# Altium PCB Ver1.4.PcbDoc (part 1 of 2) (continued)
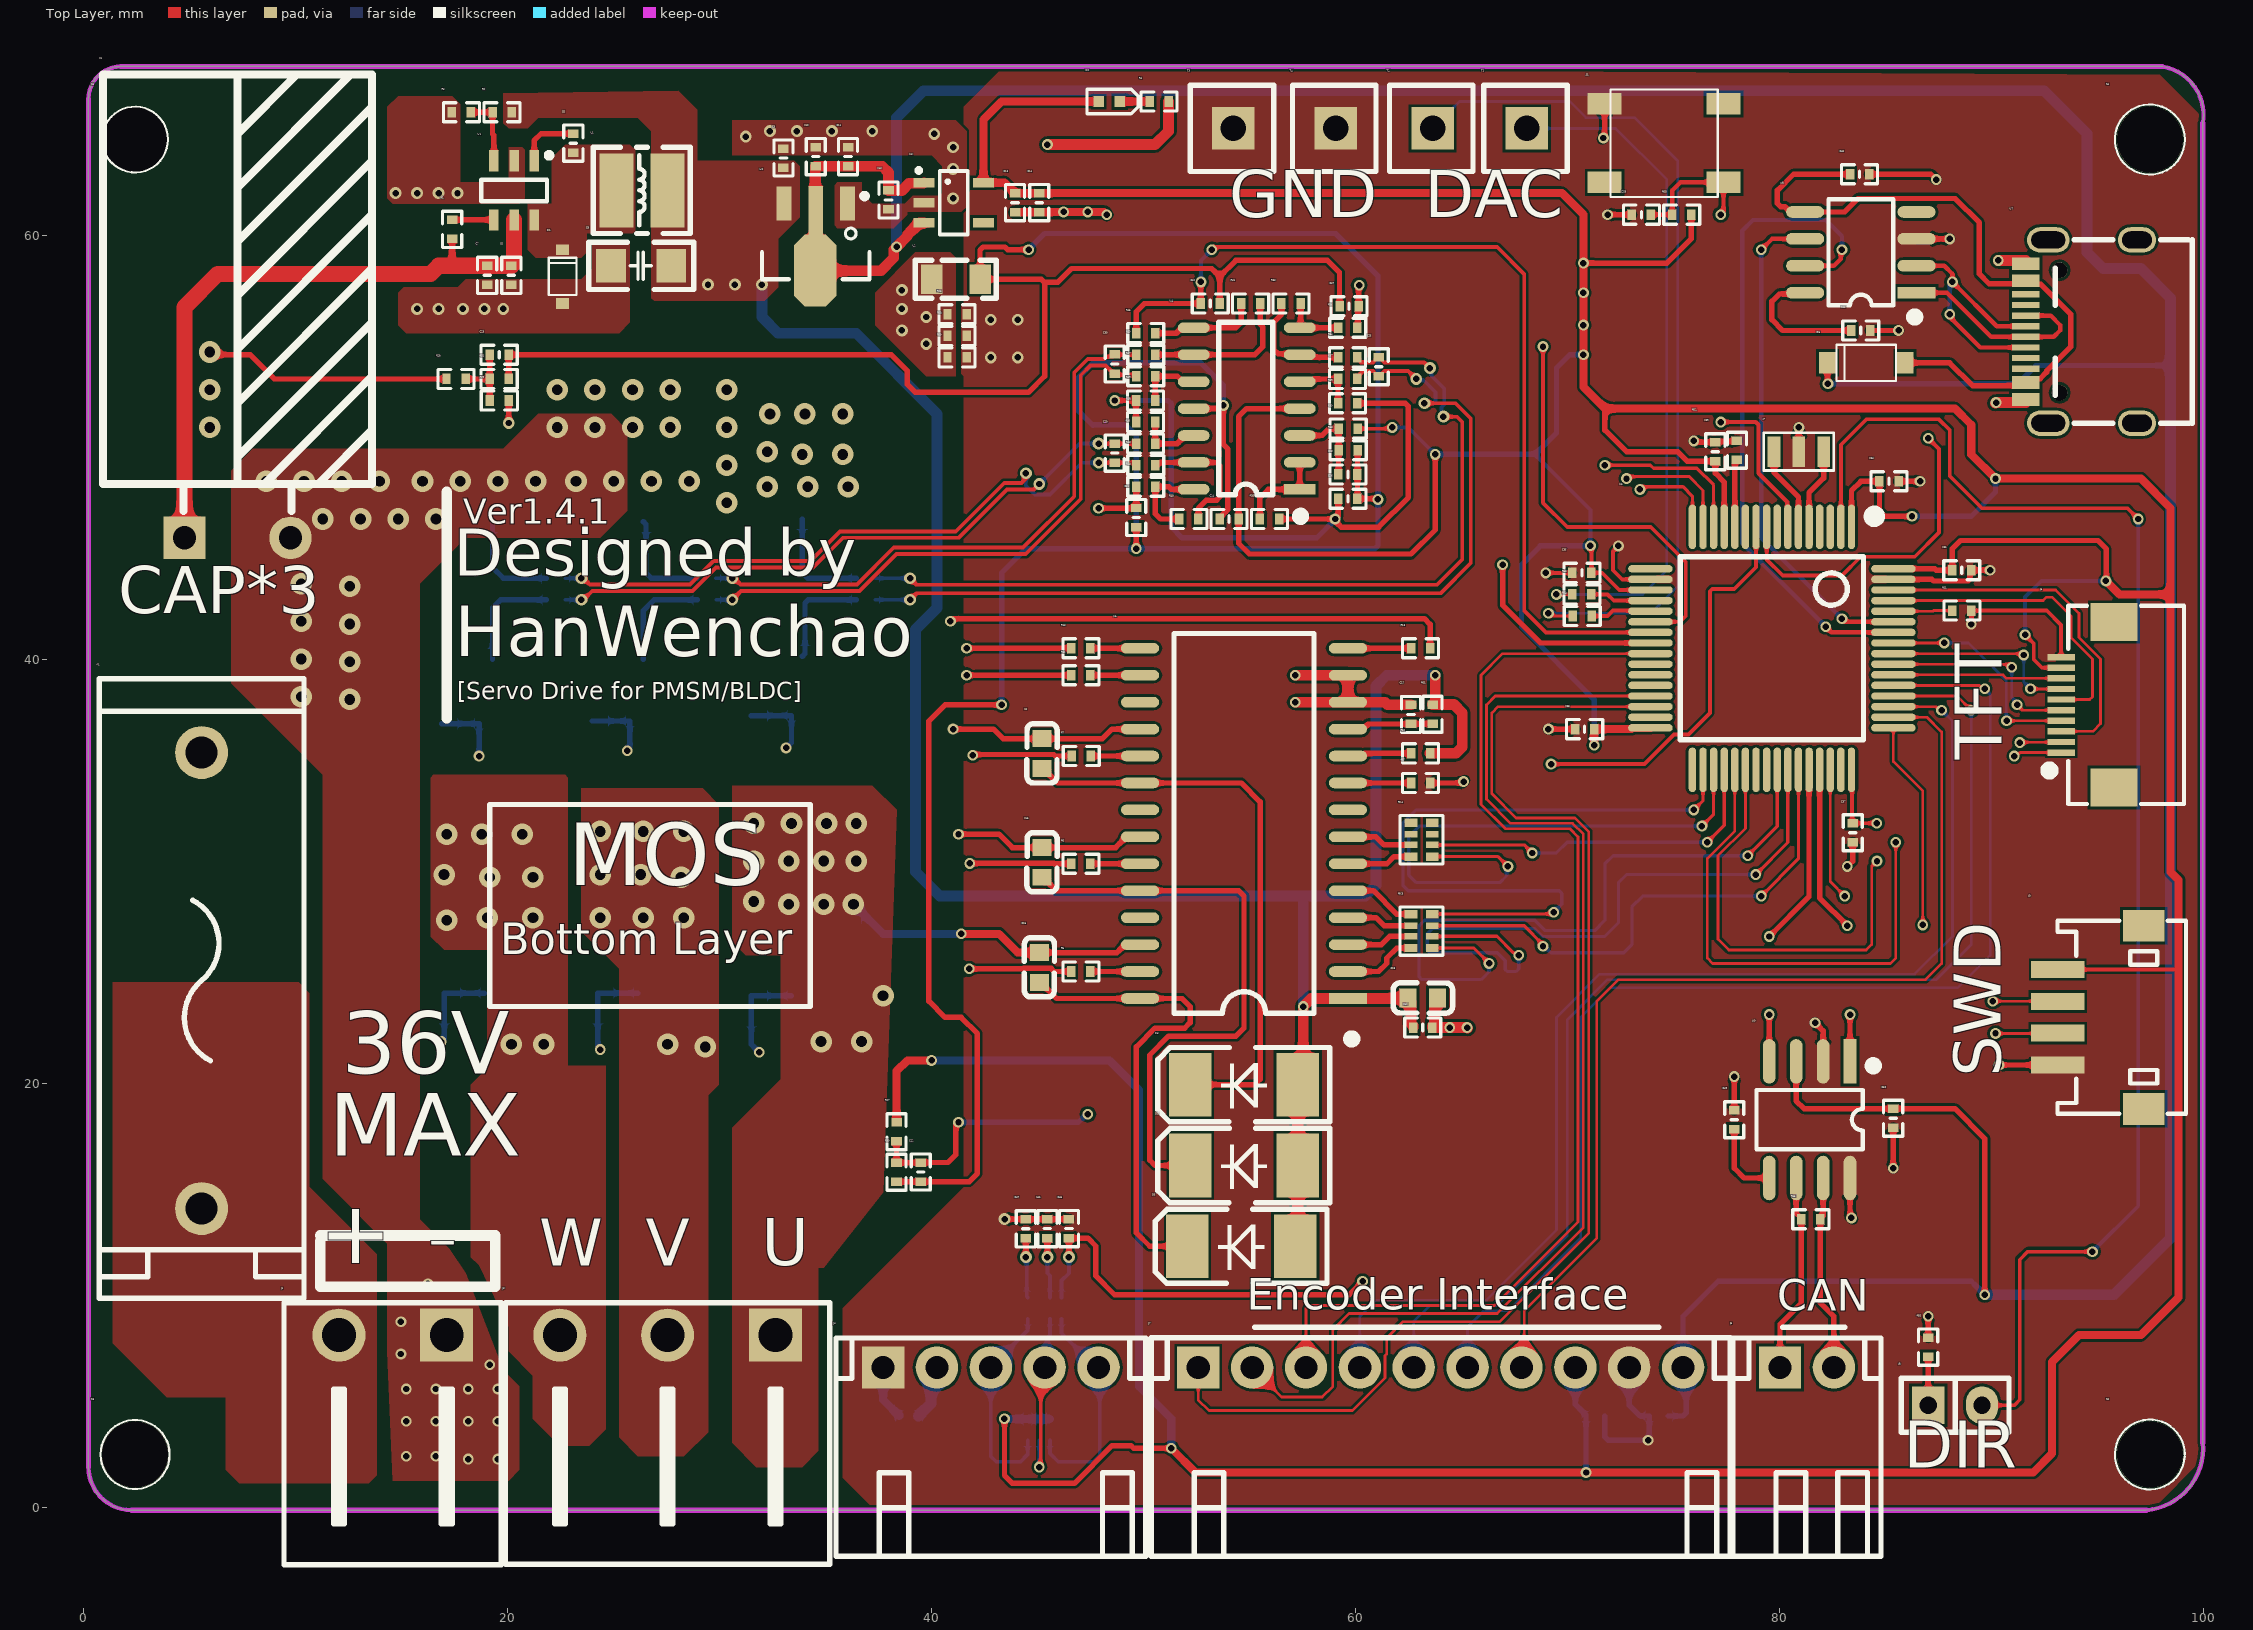
[diagram p0: Top Layer view]
## Components (designator, comment, footprint, x,y, rotation, side; value= is the part's Value field where it differs from the comment)
C1 "470uf" "CAP 5.0*12.5*20-H - BK" 7.279,45.72 r0 top
C2 "Cap" "C 0603" 45.212,35.56 r270 top value=10UF
C3 "Cap" "C 1210_L" 6.477,38.735 r180 bottom value=100uf
C4 "Cap" "C 1210_L" 6.477,42.799 r180 bottom value=100uf
C5 "Cap" "C 0402_L" 20.193,58.097 r270 top value=4.7uf
C6 "Cap" "C 0402_L" 23.114,64.331 r270 top value=100nF
C7 "Cap" "C 0402_L" 19.05,58.097 r90 top value=100nF
C8 "Cap" "C 1206_L" 26.289,58.547 r0 top value=47uf
C9 "Cap" "C 0402_L" 33.02,63.627 r270 top value=2.2uf
C10 "Cap" "C 0402_L" 34.544,63.696 r270 top value=2.2uf
C11 "Cap" "C 0402_L" 36.068,63.696 r270 top value=100nF
C12 "Cap" "C 0402_L" 37.973,61.653 r90 top value=100nF
C13 "Cap" "C 0402_L" 43.942,61.526 r90 top value=2.2uf
C14 "Cap" "C 0402_L" 45.085,61.526 r90 top value=100nF
C15 "Cap" "C 0603" 45.215,30.426 r270 top value=10UF
C16 "Cap" "C 0603" 45.088,25.473 r270 top value=10UF
C17 "Cap" "C 0402_L" 62.611,37.396 r270 top value=100nF
C18 "Cap" "C 0603" 63.174,24.025 r180 top value=10uf
C22 "Cap" "C 0402_L" 39.497,15.817 r90 top value=100nF
C23 "Cap" "C 0402_L" 19.616,54.356 r180 top value=100nF
C24 "Cap" "C 0402_L" 54.033,46.609 r0 top value=100nF
C25 "Cap" "C 0402_L" 61.087,53.79 r90 top value=100nF
C26 "Cap" "C 0402_L" 59.635,47.567 r180 top value=100nF
C27 "Cap" "C 0402_L" 59.69,56.642 r0 top value=1nF
C28 "Cap" "C 0402_L" 59.635,48.71 r180 top value=100nF
C29 "Cap" "C 0402_L" 48.641,49.715 r270 top value=100nF
C30 "Cap" "C 0402_L" 48.641,53.917 r90 top value=100nF
C31 "Cap" "C 0402_L" 49.657,46.678 r90 top value=1nF
C32 "Cap" "C 0402_L" 53.144,56.769 r180 top value=1nF
C33 "Cap" "C 0402_L" 73.475,60.96 r0 top value=100nF
C34 "Cap" "C 0402_L" 85.148,48.387 r180 top value=100nF
C35 "Cap" "C 0402_L" 70.67,44.069 r0 top value=100nF
C36 "Cap" "C 0402_L" 88.577,44.196 r180 top value=100nF
C37 "Cap" "C 0402_L" 83.439,31.819 r90 top value=100nF
C38 "Cap" "C 0402_L" 70.797,36.703 r0 top value=100nF
C39 "Cap" "C 0402_L" 76.962,49.784 r270 top value=100nF
C42 "Cap" "C 0402_L" 83.762,62.865 r0 top value=100nF
C43 "Cap" "C 0402_L" 83.82,55.499 r180 top value=100nF
C44 "Cap" "C 0402_L" 38.931,4.318 r0 bottom value=100nF
C45 "Cap" "C 0402_L" 46.482,13.15 r270 top value=1nf
C46 "Cap" "C 0402_L" 45.466,13.15 r270 top value=1nf
C47 "Cap" "C 0402_L" 44.45,13.139 r270 top value=1nf
C48 "Cap" "C 0402_L" 74.295,4.318 r0 bottom value=100nF
C49 "Cap" "C 0402_L" 77.851,18.288 r270 top value=100nF
C50 "Cap" "C 0402_L" 85.344,18.357 r90 top value=100nF
C51 "Cap" "C 0402_L" 71.305,4.318 r180 bottom value=100nF
C52 "Cap" "C 0402_L" 63.162,22.631 r180 top value=100nF
D1 "IN5819" SOD-323-12 22.606,56.769 r90 top
D2 "LED" LED0402-R-RD 48.481,66.31 r180 top
D3 "SS310" SMA/12 57.15,19.939 r180 top
D4 "SS310" SMA/12 57.15,16.129 r180 top
D5 "SS310" SMA/12 57.023,12.319 r180 top
D6 "DSK" SOD-123-PIN12 85.852,53.975 r180 top
F1 "F0603" FUSE-BLX-A 5.588,14.097 r90 top
J1 "P2" KF2EDGK5.08W-2P 17.145,8.128 r180 top
J2 "KF2EDGK_5.08_3P" KF2EDGK5.08W-3P 32.639,8.128 r180 top
J3 "ZH1.5_SMD_4P" ZH1.5-WS-4P 97.155,23.114 r90 top
J4 "KF2EDG-2.54-W-5P" KF2EDGK-2.54W-5P 37.719,6.731 r0 top locked
J5 "P2" KF2EDGK-2.54W-2P 80.01,6.604 r0 top
J6 "Pin HDR1X10" "FPC0.5 2H-WS-10P" 95.758,37.846 r90 top
J7 "KF2EDG-2.54-W-10P" KF2EDGK-2.54W-10P 52.578,6.604 r0 top
J8 "Pin HDR1X2" "Pin HDR1X2/2.54mm-S" 86.995,4.826 r90 top
L1 "33uh" CD32 26.346,62.103 r0 top
L2 "10uh" "L 0805" 41.148,57.912 r0 top
Q1 "NMOS" TO252 31.623,24.139 r0 bottom
Q2 "NMOS" TO252 24.384,24.266 r0 bottom
Q3 "NMOS" TO252 17.145,24.266 r0 bottom
Q4 "NMOS" TO252 31.623,37.347 r0 bottom
Q5 "NMOS" TO252 24.13,37.093 r0 bottom
Q6 "NMOS" TO252 17.018,36.966 r0 bottom
R1 "Res1" 0402R 16.18,60.869 r270 top value=500K
R2 "Res1" 0402R 19.152,64.567 r0 top value=113K
R3 "Res1" 0402R 17.236,64.567 r0 top value=8.2K
R4 "Res1" 0402R 50.129,65.075 r0 top value=1.5K
R5 "Res1" 0402R 47.65,26.492 r180 top value=5
R6 "Res1" 0402R 47.65,31.572 r180 top value=5
R7 "Res1" 0402R 47.661,36.652 r180 top value=5
R8 "Res1" 0402R 33.249,25.349 r0 bottom value=100K
R9 "Res1" 0402R 26.01,25.476 r0 bottom value=100K
R10 "Res1" 0402R 18.771,25.476 r0 bottom value=100K
R11 "Res1" 0402R 47.65,40.462 r180 top value=5
R12 "Res1" 0402R 47.65,41.732 r180 top value=5
R13 "Res1" 0402R 62.459,39.294 r0 top value=5
R14 "Res1" 0402R 33.249,38.557 r0 bottom value=100K
R15 "Res1" 0402R 25.629,38.303 r0 bottom value=100K
R16 "Res1" 0402R 18.517,38.176 r0 bottom value=100K
R17 "0.01" 2512R 33.96,46.53 r270 bottom
R18 "0.01" 2512R 26.467,46.403 r270 bottom
R19 "0.01" 2512R 19.355,46.403 r270 bottom
R20 "Res1" 0402R 37.501,41.58 r180 bottom value=0
R21 "Res1" 0402R 30.008,41.58 r180 bottom value=0
R22 "Res1" 0402R 22.896,41.58 r180 bottom value=0
R23 "Res1" 0402R 37.501,42.596 r180 bottom value=0
R24 "Res1" 0402R 29.997,42.596 r180 bottom value=0
R25 "Res1" 0402R 22.885,42.596 r180 bottom value=0
R26 "Res1" 0402R 40.604,55.042 r0 top value=0
R27 "Res1" 0402R 39.573,17.12 r90 top value=10K
R28 "Res1" 0402R 18.186,54.432 r180 top value=200K
R29 "Res1" 0402R 19.025,50.978 r0 top value=22
R30 "Res1" 0402R 39.573,15.204 r90 top value=3.3k
R31 "Res1" 0402R 20.218,54.432 r180 top value=10K
R32 "Res1" 0402R 57.556,57.988 r180 top value=30K
R33 "Res1" 0402R 60.248,52.088 r180 top value=10K
R34 "Res1" 0402R 60.223,55.448 r180 top value=2K
R35 "Res1" 0402R 55.336,45.39 r0 top value=10
R36 "Res1" 0402R 60.234,56.845 r180 top value=100R
R37 "Res1" 0402R 60.223,54.432 r180 top value=2K
R38 "Res1" 0402R 59.044,48.634 r0 top value=10K
R39 "Res1" 0402R 60.223,53.289 r180 top value=30K
R40 "Res1" 0402R 51.537,45.39 r0 top value=30K
R41 "Res1" 0402R 54.447,55.55 r0 top value=30K
R42 "Res1" 0402R 49.505,47.93 r0 top value=2K
R43 "Res1" 0402R 49.505,53.137 r0 top value=2K
R44 "Res1" 0402R 49.505,46.914 r0 top value=100R
R45 "Res1" 0402R 49.505,54.153 r0 top value=100R
R46 "Res1" 0402R 49.494,48.946 r0 top value=2K
R47 "Res1" 0402R 49.505,52.121 r0 top value=2K
R48 "Res1" 0402R 49.494,49.962 r0 top value=30K
R49 "Res1" 0402R 49.494,50.978 r0 top value=30K
R50 "Res1" 0402R 74.778,59.741 r0 top value=10K
R51 "Res1" 0402R 87.986,41.072 r0 top value=10K
R52 "Res1" 0402R 76.759,50.455 r270 top value=0
R53 "Res1" 0402R 70.068,41.834 r0 top value=10K
R54 "Res1" 0402R 70.079,40.818 r0 top value=10K
R55 "Res1" 0402R 80.863,12.37 r0 top value=120
R56 "Res1" 0402R 88.214,6.96 r90 top value=910
R57 "Res1" 0402R 63.663,35.382 r180 top value=4.7K
R58 "Res1" 0402R 40.604,54.026 r0 top value=0
R59 "Res1" 0402R 40.604,53.01 r0 top value=0
R60 "Res1" 0402R 62.459,34.341 r0 top value=10K
R61 "Res1" 0402R 64.846,36.805 r90 top value=10K
RN1 "1K" 8P4R-0402 46.135,8.906 r90 bottom
RN2 "10K" 8P4R-0402 46.135,3.175 r90 bottom
RN3 "100" 8P4R-0402 62.611,27.982 r0 top
RN4 "100" 8P4R-0402 62.611,32.292 r0 top
S1 "SW-PB" SMD-4X4X1.5 77.337,62.419 r180 top
S2 "M3" 3mm螺丝孔 97.449,2.5 r0 top locked
S3 "M3" 3mm螺丝孔 2.449,2.5 r0 top locked
S4 "M3" 3mm螺丝孔 97.449,64.5 r0 top locked
S5 "M3" 3mm螺丝孔 2.449,64.5 r0 top locked
T1 "TEST" TEST_1mm 68.072,65.024 r0 top
T2 "TEST" TEST_1mm 63.627,65.024 r0 top
T3 "TEST" TEST_1mm 54.229,65.024 r0 top
T4 "TEST" TEST_1mm 59.055,65.024 r0 top
U1 "MP2456" SOT23-6L 20.32,62.103 r180 top
U2 "AMS1117_5.0" SOT89_M 34.544,59.436 r180 top
U3 "SPX3819" SOT23-5L 41.051,61.519 r270 top
U4 "SGM8634" SOP14_L 54.864,51.816 r180 top locked
U5 "IR2136" SOP28_L 54.737,32.258 r180 top
U6 "STM32F405RGT6TR" "LQFP64 10x10_M" 79.629,40.513 r180 top locked
U7 "TYPEC_16P" TYPECP16 95.123,54.991 r90 top
U8 "CH340N" SOP8_N 83.82,59.182 r180 top
U9 "TJA1050" SOP8_M 81.407,18.288 r270 top
X? "8M" 晶振SMD-CSTSE800G52-R0 80.899,49.784 r180 top

## Footprints (in the part's own frame and the unit in brackets; to place one, negate y for a bottom-side part, rotate by r counter-clockwise, add the part's x,y. Pads: shape width x height; smd on the part's side, far side on the other; paste and mask are expansions set on the pad)
3mm螺丝孔 [mm]
  round 3.1 hole 3.1: 1(0,0)
8P4R-0402 [mm]
  rect 0.6x0.4 smd: 1(0,0) 4(0,-1.6) 5(1,-1.6) 8(1,0)
  rect 0.6x0.3 smd: 2(0,-0.55) 3(0,-1.05) 6(1,-1.05) 7(1,-0.55)
  silkscreen extent -0.52,-1.95 1.51,0.34, body extent 0.02,-1.81 1.02,0.19, height 0.45
0402R [mm]
  rect 0.4x0.5 smd: 1(0.152,1.219) 2(1.052,1.219)
  silkscreen extent -0.25,0.77 1.45,1.67, body extent 0.1,0.97 1.1,1.47, height 0.34
2512R [mm]
  rect 1x3.3 smd: 1(-0.079,0.051) 2(6.398,0.051)
  silkscreen extent -0.81,-1.85 7.14,1.96, body extent 0,-1.6 6.32,1.6, height 0.62
"C 0402_L" [mm] "无极性贴片电容"
  rect 0.4x0.5 smd: 1(-0.45,0) 2(0.45,0)
  silkscreen extent -0.85,-0.45 0.85,0.45, body extent -0.5,-0.26 0.5,0.26, height 0.53
"C 0603" [mm]
  rect 0.8x0.9 smd: 1(-0.692,-0.003) 2(0.708,-0.003)
  silkscreen extent -1.4,-0.71 1.4,0.71, body extent -0.8,-0.41 0.8,0.41, height 0.81
"C 1206_L" [mil] "无极性贴片电容"
  rect 55x62 smd: 1(-55.12,0) 2(57.09,0)
  silkscreen extent -96,-44 98,44, body extent -63,-32 63,32, height 48
"C 1210_L" [mm] "无极性贴片电容"
  rect 1.524x2.54 smd: 1(-1.45,0) 2(1.45,0)
  silkscreen extent -2.55,-1.6 2.55,1.6, body extent -1.6,-1.29 1.6,1.29, height 1.54
"CAP 5.0*12.5*20-H - BK" [mm] "脚距5mm直径12.5mm高度20mm"
  rect 2x2 hole 1.1: 1(-2.5,0)
  round 2 hole 1.1: 2(2.5,0)
  silkscreen extent -6.35,1.27 6.35,21.84, body extent -6.25,-0.3 6.26,21.91, height 12.53
CD32 [mm] "3.5*3*2mm（长宽高）"
  rect 1.6x3.5 smd: 1(-1.2,0) 2(1.2,0)
  silkscreen extent -2.29,-2.03 2.29,2.03, body extent -1.71,-1.5 1.71,1.5, height 2.15
"FPC0.5 2H-WS-10P" [mm] "长：9.2mm，宽：5.2mm，高：2mm"
  rect 1.8x2.2 smd: 0(-3.9,0) 0(3.9,0)
  rect 0.3x1.3 smd: 1(-2.25,2.497) 2(-1.75,2.497) 3(-1.25,2.497) 4(-0.75,2.497) 5(-0.25,2.497) 6(0.25,2.497) 7(0.75,2.497) 8(1.25,2.497) 9(1.75,2.497) 10(2.25,2.497)
  silkscreen extent -4.67,-3.3 4.67,3.23, body extent -4.6,-3.15 4.6,2.85, height 2
FUSE-BLX-A [mm]
  round 2.5 hole 1.5: 1(0,0) 2(21.5,0)
  silkscreen extent -4.24,-4.83 24.97,4.83, body extent -4.26,-4.8 25.09,4.7, height 13.9
KF2EDGK5.08W-2P [mm]
  rect 2.5x2.5 hole 1.6: 1(0,0)
  round 2.5 hole 1.6: 2(5.08,0)
  silkscreen extent -2.57,-1.52 7.67,10.82, body extent -2.54,-0.57 7.62,10.73, height 8.5
KF2EDGK5.08W-3P [mm]
  rect 2.5x2.5 hole 1.6: 1(0,0)
  round 2.5 hole 1.6: 2(5.08,0) 3(10.16,0)
  silkscreen extent -2.57,-1.52 12.73,10.8, body extent -2.54,-0.57 12.7,10.73, height 8.5
KF2EDGK-2.54W-2P [mm]
  rect 2x2 hole 1.1: 1(0,0)
  round 2 hole 1.1: 2(2.54,0)
  silkscreen extent -2.22,-8.9 4.76,1.39, body extent -2.24,-8.91 4.74,1.19, height 8.15
KF2EDGK-2.54W-5P [mm]
  rect 2x2 hole 1.1: 1(0,-0.127)
  round 2 hole 1.1: 2(2.54,-0.127) 3(5.08,-0.127) 4(7.62,-0.127) 5(10.16,-0.127)
  silkscreen extent -2.22,-9.03 12.38,1.26, body extent -2.21,-9.01 12.39,1.09, height 8.15
KF2EDGK-2.54W-10P [mm] "长：27.3mm，宽：10.1mm，高：8.1mm"
  rect 2x2 hole 1.1: 1(0,0)
  round 2 hole 1.1: 2(2.54,0) 3(5.08,0) 4(7.62,0) 5(10.16,0) 6(12.7,0) 7(15.24,0) 8(17.78,0) 9(20.32,0) 10(22.86,0)
  silkscreen extent -2.22,-8.9 25.08,1.4, body extent -2.21,-8.96 25.09,1.14, height 8.15
"L 0805" [mil] "小功率贴片电感"
  rect 40x55 smd: 1(-45,0) 2(45,0)
  silkscreen extent -75,-35 75,35, body extent -39,-24 39,24, height 35
LED0402-R-RD [mm]
  rect 0.5x0.5 smd: 1(0.602,0.016) 2(-0.398,0.016)
  silkscreen extent -1.27,-0.56 1.14,0.6, body extent -0.4,-0.89 0.6,0.32, height 5.7
"LQFP64 10x10_M" [mm] "64脚，体宽10x10mm，脚距0.5mm"
  oval 0.35x2.1 smd: 1(-3.75,-5.727) 2(-3.25,-5.727) 3(-2.75,-5.727) 4(-2.25,-5.727) 5(-1.75,-5.727) 6(-1.25,-5.727) 7(-0.75,-5.727) 8(-0.25,-5.727) 9(0.25,-5.727) 10(0.75,-5.727) 11(1.25,-5.727) 12(1.75,-5.727) 13(2.25,-5.727) 14(2.75,-5.727) 15(3.25,-5.727) 16(3.75,-5.727) 33(3.75,5.727) 34(3.25,5.727) 35(2.75,5.727) 36(2.25,5.727) 37(1.75,5.727) 38(1.25,5.727) 39(0.75,5.727) 40(0.25,5.727) 41(-0.25,5.727) 42(-0.75,5.727) 43(-1.25,5.727) 44(-1.75,5.727) 45(-2.25,5.727) 46(-2.75,5.727) 47(-3.25,5.727) 48(-3.75,5.727)
  oval 2.1x0.35 smd: 17(5.727,-3.75) 18(5.727,-3.25) 19(5.727,-2.75) 20(5.727,-2.25) 21(5.727,-1.75) 22(5.727,-1.25) 23(5.727,-0.75) 24(5.727,-0.25) 25(5.727,0.25) 26(5.727,0.75) 27(5.727,1.25) 28(5.727,1.75) 29(5.727,2.25) 30(5.727,2.75) 31(5.727,3.25) 32(5.727,3.75) 49(-5.727,3.75) 50(-5.727,3.25) 51(-5.727,2.75) 52(-5.727,2.25) 53(-5.727,1.75) 54(-5.727,1.25) 55(-5.727,0.75) 56(-5.727,0.25) 57(-5.727,-0.25) 58(-5.727,-0.75) 59(-5.727,-1.25) 60(-5.727,-1.75) 61(-5.727,-2.25) 62(-5.727,-2.75) 63(-5.727,-3.25) 64(-5.727,-3.75)
  silkscreen extent -5.08,-6.47 4.32,4.32, body extent -6,-6 6,6, height 1.45
"Pin HDR1X2/2.54mm-S" [mil]
  rect 70x60 hole 32: 1(0,0)
  oval 70x60 hole 32: 2(0,-100)
  silkscreen extent -50,-150 50,50, body extent -50,-150 50,50, height 336
SMA/12 [mm] "塑封二极管"
  rect 2x3 smd: 1(-0.127,0) 2(4.953,0)
  silkscreen extent -1.63,-1.75 6.48,1.75, body extent 0.11,-1.35 4.71,1.35, height 2.4
SMD-4X4X1.5 [mm]
  rect 1.6x1 smd: 1(-0.006,-0.065) 2(5.594,-3.765) 3(-0.006,-3.765) 4(5.594,-0.065)
  silkscreen extent 0.26,-4.44 5.32,0.64, body extent -0.53,-4.57 5.87,0.63, height 1.48
SOD-123-PIN12 [mm] "塑封二极管"
  rect 0.8x1 smd: 1(-0.051,0) 2(3.607,0)
  silkscreen extent 0.38,-0.85 3.18,0.85, body extent -0.12,-0.89 3.73,0.81, height 1.43
SOD-323-12 [mm] "塑封二极管"
  rect 0.5x0.6 smd: 1(0,0) 2(2.54,0)
  silkscreen extent 0.41,-0.65 2.16,0.65, body extent 0.02,-0.64 2.52,0.62, height 0.9
SOP8_M [mm] "5*6*1.8mm（长宽高）"
  rect 2.1x0.6 smd: 1(-2.75,1.905)
  oval 2.1x0.6 smd: 2(-2.75,0.635) 3(-2.75,-0.635) 4(-2.75,-1.905) 5(2.75,-1.905) 6(2.75,-0.635) 7(2.75,0.635) 8(2.75,1.905)
  silkscreen extent -2.69,-2.5 1.4,3.15, body extent -3,-2.5 3,2.5, height 1.9
SOP8_N [mm] "5*6*1.8mm（长宽高）"
  rect 1.8x0.55 smd: 1(-2.625,1.905)
  oval 1.8x0.55 smd: 2(-2.625,0.635) 3(-2.625,-0.635) 4(-2.625,-1.905) 5(2.625,-1.905) 6(2.625,-0.635) 7(2.625,0.635) 8(2.625,1.905)
  silkscreen extent -2.69,-2.5 1.52,3.2, body extent -3,-2.5 3,2.5, height 1.9
SOP14_L [mm] "8.7*6.2*1.8mm（长宽高）"
  rect 1.5x0.5 smd: 1(-2.5,3.81)
  oval 1.5x0.5 smd: 2(-2.5,2.54) 3(-2.5,1.27) 4(-2.5,0) 5(-2.5,-1.27) 6(-2.5,-2.54) 7(-2.5,-3.81) 8(2.5,-3.81) 9(2.5,-2.54) 10(2.5,-1.27) 11(2.5,0) 12(2.5,1.27) 13(2.5,2.54) 14(2.5,3.81)
  silkscreen extent -2.69,-4.06 1.31,5.23, body extent -3,-4.35 3,4.35, height 1.9
SOP28_L [mm] "17.9*10.6*2.6mm（长宽高）"
  rect 1.8x0.5 smd: 1(-4.9,8.255)
  oval 1.8x0.5 smd: 2(-4.9,6.985) 3(-4.9,5.715) 4(-4.9,4.445) 5(-4.9,3.175) 6(-4.9,1.905) 7(-4.9,0.635) 8(-4.9,-0.635) 9(-4.9,-1.905) 10(-4.9,-3.175) 11(-4.9,-4.445) 12(-4.9,-5.715) 13(-4.9,-6.985) 14(-4.9,-8.255) 15(4.9,-8.255) 16(4.9,-6.985) 17(4.9,-5.715) 18(4.9,-4.445) 19(4.9,-3.175) 20(4.9,-1.905) 21(4.9,-0.635) 22(4.9,0.635) 23(4.9,1.905) 24(4.9,3.175) 25(4.9,4.445) 26(4.9,5.715) 27(4.9,6.985) 28(4.9,8.255)
  silkscreen extent -5.23,-8.95 3.3,10.31, body extent -5.15,-8.95 5.15,8.95, height 2.7
SOT23-5L [mm] "3x1.6x1.1mm(长宽高)"
  rect 0.45x1 smd: 1(-0.95,-1.4) 2(0,-1.4) 3(0.95,-1.4) 4(0.95,1.4) 5(-0.95,1.4)
  silkscreen extent -1.6,-1.73 1.5,0.66, body extent -1.5,-1.4 1.5,1.4, height 1.15
SOT23-6L [mm] "3x1.6x1.1mm(长宽高)"
  rect 0.45x1 smd: 1(-0.95,-1.397) 2(0,-1.397) 3(0.95,-1.397) 4(0.95,1.397) 5(0,1.397) 6(-0.95,1.397)
  silkscreen extent -1.78,-1.78 1.55,0.51, body extent -1.5,-1.4 1.5,1.4, height 1.15
SOT89_M [mm] "4.6x4.3x1.6mm(长宽高)"
  rect 0.7x1.6 smd: 1(-1.5,-2.054) 3(1.5,-2.054)
  rect 0.7x2.4 smd: 2(0,-1.676)
  oct 2x3.4 smd: 2(0.025,1.118)
  silkscreen extent -2.54,-2.52 2.54,1.52, body extent -2.3,-2.4 2.3,1.9, height 1.6
TEST_1mm [mm]
  rect 2x2 hole 1.2: 1(0,0)
  silkscreen extent -2.03,-2.03 1.91,2.03
TO252 [mil] "252晶体管"
  rect 230x245 smd: D(85,285.35)
  rect 60x115 smd: G(-4.55,0.23)
  rect 60x110 smd: S(173.45,-0.77)
  silkscreen extent -43,70 220,420, body extent -41,5 215,375, height 91
TYPECP16 [mm]
  oval 1.2x1.8 hole 0.8 slot 1.4 at 90 deg: 0(-3.863,-1.716) 0(4.777,-1.716)
  oval 1.2x2 hole 0.8 slot 1.6 at 90 deg: 0(-3.863,2.464) 0(4.777,2.464)
  rect 0.3x1.3 smd: A1(-2.893,3.531) A4(-2.093,3.531) A5(-0.793,3.531) A6(0.207,3.531) A7(0.707,3.531) A8(1.707,3.532) A9(3.007,3.531) A12(3.807,3.531) B1(3.507,3.531) B4(2.707,3.531) B5(2.207,3.531) B6(1.207,3.531) B7(-0.293,3.531) B8(-1.293,3.532) B9(-1.793,3.531) B12(-2.593,3.531)
  round 0.75 hole 0.75 unplated: ""(-2.433,1.934) ""(3.347,1.934)
  silkscreen extent -3.86,-4.32 4.78,2.13, body extent -4.01,-4.32 4.93,3.58, height 3.2
ZH1.5-WS-4P [mm] "长：9.1mm，宽：6.0mm，高：3.7mm"
  rect 1.5x1.95 smd: 0(-4.318,0) 0(4.318,0)
  rect 0.8x2.5 smd: 1(-2.25,4.05) 2(-0.75,4.05) 3(0.75,4.05) 4(2.25,4.05)
  silkscreen extent -4.55,-2 4.55,4.06, body extent -4.55,-2 4.55,4.6, height 3.75
晶振SMD-CSTSE800G52-R0 [mm]
  rect 0.6x1.45 smd: 1(-1.168,0) 2(1.168,0) 3(0,0)
  silkscreen extent -1.65,-0.89 1.65,0.89, body extent -1.61,-0.76 1.59,0.76, height 0.7

## Part data
C1: library part CAP_TH_D13, "CAP TH 330uf 13*25"
C2 C15 C16 C18: library part C0603, "无极性电容", LatestRevisionDate=17-Jul-2002, LatestRevisionNote="Re-released for DXP Platform.", PackageReference=RAD-0.3, Published=8-Jun-2000, Publisher="Altium Limited"
C3 C4: library part C1210, "无极性电容", LatestRevisionDate=17-Jul-2002, LatestRevisionNote="Re-released for DXP Platform.", PackageReference=RAD-0.3, Published=8-Jun-2000, Publisher="Altium Limited"
C5 C6 C7 C9 C10 C11 C12 C13 C14 C17 C22 C23 C24 C25 C26 C27 C28 C29 C30 C31 C32 C33 C34 C35 C36 C37 C38 C39 C42 C43 C44 C45 C46 C47 C48 C49 C50 C51 C52: library part C0402, "无极性电容", LatestRevisionDate=17-Jul-2002, LatestRevisionNote="Re-released for DXP Platform.", PackageReference=RAD-0.3, Published=8-Jun-2000, Publisher="Altium Limited"
C8: library part C1206, "无极性电容", LatestRevisionDate=17-Jul-2002, LatestRevisionNote="Re-released for DXP Platform.", PackageReference=RAD-0.3, Published=8-Jun-2000, Publisher="Altium Limited"
D1: library part DIO_SOD323, "IN系列贴片", PackageReference=DO214AC, Published=8-August-2017, Publisher=mazhongwei
D2: library part LED0402, "发光二极管", LatestRevisionDate=08-Jul-2005, LatestRevisionNote="Mech Layer 1 removed.", PackageReference=LED-0, Published=8-Jun-2000, Publisher="Altium Limited"
D3 D4 D5: library part DIO_SMA, "SS系列", PackageReference=DO214AC, Published=8-August-2017, Publisher=mazhongwei
D6: library part DIO_SOD123, "DSK系列", PackageReference=DO214AC, Published=8-August-2017, Publisher=mazhongwei
J1: library part KF2EDGK_5.08_2P, "直插"
J5: library part KF2EDG-2.54-W-2P, "弯针"
L1 L2: library part L0402, "功率贴片电感", Code_IEC=1005, Code_JEITA=0402, LatestRevisionDate=17-Jul-2002, LatestRevisionNote="Re-released for DXP Platform.", PackageReference=0402-A, Published=8-Jun-2000, Publisher="Altium Limited"
Q1 Q2 Q3 Q4 Q5 Q6: "N沟道场效应管"
R1 R2 R3 R4 R5 R6 R7 R8 R9 R10 R11 R12 R13 R14 R15 R16 R20 R21 R22 R23 R24 R25 R26 R27 R28 R29 R30 R31 R32 R33 R34 R35 R36 R37 R38 R39 R40 R41 R42 R43 R44 R45 R46 R47 R48 R49 R50 R51 R53 R54 R55 R56 R57 R58 R59 R60 R61: library part R0402, "贴片电阻", LatestRevisionDate=17-Jul-2002, LatestRevisionNote="Re-released for DXP Platform.", PackageReference=AXIAL-0.4, Published=8-Jun-2000, Publisher="Altium Limited"
R17 R18 R19: library part R2512, "0.01采样电阻3W", LatestRevisionDate=17-Jul-2002, LatestRevisionNote="Re-released for DXP Platform.", PackageReference=AXIAL-0.4, Published=8-Jun-2000, Publisher="Altium Limited"
R52: library part R0603, "贴片电阻", LatestRevisionDate=17-Jul-2002, LatestRevisionNote="Re-released for DXP Platform.", PackageReference=AXIAL-0.4, Published=8-Jun-2000, Publisher="Altium Limited"
RN1 RN2 RN3 RN4: library part RESP0402, "0402排阻"
S1: library part KEY_SMD_2*4*3.5, "贴片侧4脚按键", LatestRevisionDate=17-Jul-2002, LatestRevisionNote="Re-released for DXP Platform.", PackageReference=SPST-2, Published=24-Mar-1999, Publisher="Altium Limited"
S2 S3 S4 S5: "3mm螺丝孔"
T1 T2 T3 T4: "测试点1mm"
U2: "AMS1117-5V  SOT89   MAX24V"
U4: library part TL084CPWR, "TSSOP-14"
U9: library part SN65HVD230DR
X?: library part OSC_SMD_3, "三脚晶振SMD"

## Via types
v1: diameter 0.508, hole 0.305, Top Layer to Bottom Layer, tented both sides, 152 vias
v2: diameter 1.016, hole 0.508, Top Layer to Bottom Layer, tented both sides, 85 vias
v3: diameter 0.559, hole 0.305, Top Layer to Bottom Layer, tented both sides, 49 vias

## Nets (pads, with @x,y where several pads share a name; then routed paths per layer and width w, separated by ;. In a path a pad name is that pad's centre, name@x,y a point inside that pad or via, vN(x,y) a via of type N, cw(c..) or ccw(c..) an arc to the next point about the centre after c; other vN are vias at no path point)
+1.65: C26.2 R35.2 R39.1 R48.1 R49.1 | length 33.6
  Top Layer w0.254: v1(48.641,52.197) R49.1@49.646,52.197 R48.1@49.646,51.181 ; R35.2@56.388,46.609 v1(59.033,46.609) ; C26.2@59.185,47.567 59.182,47.564 59.182,46.758 v1(59.033,46.609) ; R39.1@60.071,52.07 62.335,52.07 62.484,51.921 62.484,47.625 61.087,46.228 59.309,46.228 59.033,46.504 v1(59.033,46.609)
  Bottom Layer w0.254: v1(48.641,52.197) 51.159,52.197 51.308,52.048 51.308,46.228 51.816,45.72 58.166,45.72 59.033,46.587 v1(59.033,46.609)
+5: C10.2 C11.2 C12.2 C44.2 C48.2 C50.2 D6.2 J4.2 J7.10 U2.2 U3.1 U3.3 U9.3 | length 257
  Top Layer w0.254: U9.3@80.772,21.038 80.772,19.177 81.142,18.807 C50.2@85.344,18.807 88.254,18.807 89.662,17.399 v1(89.662,10.033) ; D6.2@82.245,53.975 82.245,53.01 v1(82.271,52.984) v1@82.296,52.959
  Top Layer w0.508: U3.3@39.624,60.541 U3.3@39.651,60.569 39.434,60.569 38.862,59.996 38.862,59.944 v1(38.354,59.436) 38.227,59.309 38.227,58.928 37.617,58.318 U2.2@34.519,58.318 34.519,63.221 C10.2@34.544,63.246 C11.2@36.068,63.246 37.675,63.246 37.973,62.948 C12.2@37.973,62.103 38.608,62.103 38.945,62.44 39.622,62.44 U3.1@39.651,62.469
  Layer 1 w0.508: J4.2@40.259,6.604 40.544,6.889 40.544,8.159 41.148,8.763 77.724,8.763 78.994,10.033 v1(89.662,10.033)
  Bottom Layer w0.254: C48.2@74.745,4.318 75.438,4.318 75.587,4.467 75.587,6.455 J7.10@75.438,6.604 75.438,9.017 77.089,10.668 89.027,10.668 v1(89.662,10.033) ; v1(82.271,52.984) 91.211,52.984 92.075,53.848 98.425,53.848
  Bottom Layer w0.508: v1(38.354,59.436) 38.354,65.532 39.624,66.802 92.456,66.802 94.488,64.77 94.488,59.182 95.25,58.42 97.028,58.42 98.425,57.023 98.425,53.848 98.425,12.7 95.758,10.033 v1(89.662,10.033) ; C44.2@39.381,4.318 39.974,4.911 39.974,6.319 J4.2@40.259,6.604
+12: C8.2 C9.2 C18.2 C52.2 D3.1 D4.1 D5.1 L1.2 R2.2 R60.2 R61.2 U2.3 U5.1 | length 98
  Top Layer w0.508: D5.1@57.15,12.319 57.277,12.446 D4.1@57.277,16.129 D3.1@57.277,19.939 57.531,20.193 v1(57.531,23.622) 57.912,24.003 U5.1@59.637,24.003 59.641,24.007 62.446,24.007 62.612,23.84 62.612,22.816 62.712,22.716 C52.2@62.712,22.631 ; R60.2@63.511,35.56 64.726,35.56 65.024,35.858 65.024,37.465 64.632,37.857 R61.2@63.627,37.857 63.754,37.984 v1(63.754,39.243)
  Bottom Layer w0.508: v3(32.004,57.658) 32.004,56.134 32.766,55.372 36.449,55.372 40.259,51.562 40.259,42.418 39.243,41.402 39.243,29.972 40.386,28.829 57.531,28.829 ; v1(57.531,23.622) 57.531,28.829 ; v1(63.754,39.243) 61.468,39.243 60.96,38.735 60.96,29.337 60.452,28.829 57.531,28.829
  other v3: 29.464,57.658 30.734,57.658
AGND: C22.1 C23.1 C24.1 C26.1 C27.1 C28.1 C31.1 C32.1 L2.2 R30.1 R31.1 R38.2 U4.11 | length 172.3
  Top Layer w0.254: R31.1@20.066,53.213 C23.1@20.066,54.356 38.1,54.356 38.862,53.594 38.862,52.959 39.243,52.578 44.577,52.578 45.339,53.34 45.339,57.763 ; R30.1@38.354,15.356 38.359,15.362 39.492,15.362 C22.1@39.497,15.367 41.783,15.367 42.164,15.748 42.164,22.352 41.402,23.114 40.64,23.114 39.878,23.876 39.878,37.084 40.64,37.846 v1(43.307,37.846) ; v1(44.577,59.309) 43.59,59.309 43.463,59.436 42.44,59.436 42.291,59.287 L2.2@42.291,57.912 45.19,57.912 45.339,57.763 ; v1(49.657,45.212) C31.1@49.657,46.228 ; U4.11@52.364,51.816 53.617,51.816 v1(53.768,51.967) 53.768,50.119 53.975,49.912 53.975,47.051 53.583,46.659 C24.1@53.583,46.609 ; C32.1@53.594,56.769 53.594,58.039 ; C27.1@59.24,56.642 59.24,58.235 58.674,58.801 54.356,58.801 53.594,58.039 ; R38.2@60.096,49.853 60.091,49.847 60.091,47.572 C26.1@60.085,47.567 61.018,47.567 v1@61.087,47.498 ; 45.339,57.763 45.952,57.763 46.609,58.42 53.213,58.42 53.594,58.039
  Bottom Layer w0.254: v1(43.307,37.846) 43.307,44.069 44.45,45.212 v1(49.657,45.212) ; v1(44.577,59.309) 45.339,60.071 59.055,60.071 61.053,58.073 v1(61.053,47.533) 61.053,45.361 60.904,45.212 v1(49.657,45.212) ; v1(53.768,51.967) 53.768,52.912 52.705,53.975 47.625,53.975 46.863,53.213 46.863,51.772 47.603,51.032 47.625,51.054 49.149,51.054 49.657,50.546 v1(49.657,45.212)
CAN_RX: U6.44 U9.4 | length 14.5
  Top Layer w0.254: U9.4@79.502,21.038 v1(79.502,23.241) ; v1(79.502,26.924) 81.379,28.801 U6.44@81.379,34.786
  Layer 1 w0.254: v1(79.502,23.241) v1(79.502,26.924)
CAN_TX: U6.45 U9.1 | length 14.5
  Top Layer w0.254: U6.45@81.879,34.786 81.879,28.738 v1(83.185,27.432) v1@83.312,27.432 ; U9.1@83.312,21.038 v1(83.312,23.241)
  Layer 1 w0.254: v1(83.185,27.432) 83.185,23.368 v1(83.312,23.241)
CH_RX: U6.58 U8.7 | length 31.7
  Top Layer w0.203: U8.7@81.195,58.547 82.55,58.547 82.873,58.87 82.873,59.251 v1(82.931,59.309) ; v1(82.169,41.529) 82.435,41.263 U6.58@85.356,41.263
  Bottom Layer w0.203: v1(82.169,41.529) 78.232,45.466 78.232,60.198 78.74,60.706 82.169,60.706 82.931,59.944 v1(82.931,59.309)
CH_TX: U6.59 U8.6 | length 23.7
  Top Layer w0.203: v1(79.121,59.309) 79.629,59.817 U8.6@81.195,59.817 ; v1(82.931,41.91) 83.078,41.763 U6.59@85.356,41.763
  Bottom Layer w0.203: v1(79.121,59.309) 79.121,45.72 v1(82.931,41.91)
DGND: C13.1 C14.1 C33.1 C34.1 C35.1 C36.1 C37.1 C38.1 C39.1 C42.2 C43.1 C44.1 C45.1 C46.1 C47.1 C48.1 C49.1 C50.1 C51.1 J3.1 J4.1 J6.10 J7.9 R26.2 R51.2 R52.1 R56.2 R57.1 R58.2 R59.2 S1.2 T3.1 T4.1 U6.18 U6.63 U8.3 U9.2 U9.8 X?.3 | length 62.1
  Top Layer w0.178: v1(68.961,44.069) C35.1@70.22,44.069 ; v1(72.39,45.339) 72.136,45.085 72.136,44.196 72.569,43.763 U6.18@73.902,43.763 ; v1(89.027,41.656) 89.038,41.667 R51.2@89.038,42.291 92.583,42.291 93.261,41.613 J6.10@93.261,40.096
  Top Layer w0.254: v3@43.434,13.589 v3(43.445,13.6) C46.1@45.466,13.6 C45.1@46.482,13.6 ; R57.1@63.511,34.163 65.024,34.163 v1@65.151,34.29 ; v1(69.088,36.703) C38.1@70.347,36.703 ; v1@71.628,64.516 71.743,64.631 S1.2@71.743,66.184 ; v1(71.882,60.96) C33.1@73.025,60.96 ; v1(75.946,50.292) 76.004,50.234 C39.1@76.962,50.234 76.996,50.268 77.944,50.268 R52.1@77.978,50.303 ; C49.1@77.851,18.738 v1(77.851,20.32) ; X?.3@80.899,49.784 v1(80.899,50.927) ; v1(81.661,22.86) 82.042,22.479 U9.2@82.042,21.038 ; v1(83.185,30.226) 83.439,30.48 C37.1@83.439,31.369 ; U9.8@83.312,15.538 83.312,13.716 v1@83.439,13.589 ; C42.2@84.212,62.865 87.122,62.865 v1(87.376,62.611) ; C43.1@84.27,55.499 v1(85.598,55.499) ; v1(85.344,16.002) C50.1@85.344,17.907 ; U6.63@85.356,43.763 87.174,43.763 87.249,43.688 88.878,43.688 88.954,43.764 88.954,44.123 C36.1@89.027,44.196 v1(89.916,44.196) ; C34.1@85.598,48.387 v1(86.614,48.387) ; U8.3@86.445,59.817 v1(88.011,59.817) ; R56.2@86.995,8.012 v1(86.995,9.017) ; v1@90.297,20.828 v1(90.333,20.864) J3.1@93.105,20.864
  Top Layer w0.381: C13.1@43.942,61.076 C14.1@45.085,61.076 48.144,61.076 v1(48.26,60.96)
  Bottom Layer w0.254: C51.1@71.755,4.318 71.755,3.324 71.904,3.175 v1(73.787,3.175) 73.845,3.233 C48.1@73.845,4.318 73.406,4.318 72.898,4.826 J7.9@72.898,6.604
  Bottom Layer w0.381: J4.1@37.719,6.604 37.719,5.08 38.422,4.377 38.472,4.377 38.481,4.368 C44.1@38.481,4.318
  other v1: 83.376,13.652 65.087,34.226 46.228,61.087 47.371,61.087 71.686,64.574
  other v3: 42.799,54.229 44.069,54.229 42.799,56.007 44.069,56.007
DN: U7.A7 U7.B7 U8.2 | length 12.4
  Top Layer w0.203: U8.2@86.445,58.547 87.757,58.547 88.138,58.166 v1(88.138,57.785) 90.225,55.698 U7.A7@91.592,55.698 ; v1(88.011,56.261) 88.011,56.134 89.447,54.698 U7.B7@91.592,54.698
  Bottom Layer w0.203: v1(88.011,56.261) 88.011,57.576 88.138,57.703 v1(88.138,57.785)
DP: U7.A6 U7.B6 U8.1 | length 9.8
  Top Layer w0.203: U8.1@86.445,57.277 87.884,57.277 89.963,55.198 U7.A6@91.592,55.198 92.917,55.198 93.218,55.499 93.218,55.753 92.773,56.198 U7.B6@91.592,56.198
ENA: C45.2 RN1.8 U6.14 | length 72.9
  Top Layer w0.152: v1(71.755,49.149) 73.899,49.149 74.044,49.004 76.091,49.004 76.879,48.216 U6.14@76.879,46.24
  Top Layer w0.254: v3(46.482,11.811) C45.2@46.482,12.7 47.371,12.7 47.752,12.319 47.752,10.922 48.641,10.033 59.69,10.033 v1(60.325,10.668)
  Layer 1 w0.254: v1@60.198,10.668 v1(60.325,10.668) 74.422,24.765 74.422,48.006 73.279,49.149 v1(71.755,49.149)
  Bottom Layer w0.178: RN1.8@46.135,9.906 46.135,10.702 46.482,11.049 v3(46.482,11.811)
ENB: C46.2 RN1.7 U6.15 | length 71.2
  Top Layer w0.152: v1(72.771,48.514) 72.873,48.616 75.717,48.616 76.379,47.954 U6.15@76.379,46.24
  Top Layer w0.254: v3(45.466,11.811) C46.2@45.466,12.7
  Layer 1 w0.254: v3(45.466,11.811) 45.466,46.355 47.625,48.514 v1(72.771,48.514)
  Bottom Layer w0.178: v3(45.466,11.811) 45.466,11.049 45.585,10.93 RN1.7@45.585,9.906
ENZ: C47.2 RN1.5 U6.16 | length 67.8
  Top Layer w0.152: v1(73.406,48.006) 73.533,48.133 75.438,48.133 75.879,47.692 U6.16@75.879,46.24
  Top Layer w0.254: v3(44.45,11.811) C47.2@44.45,12.689
  Layer 1 w0.254: v3(44.45,11.811) 44.45,9.42 44.599,9.271 57.531,9.271 73.406,25.146 v1(73.406,48.006)
  Bottom Layer w0.178: v3(44.45,11.811) 44.492,11.769 44.492,9.949 RN1.5@44.535,9.906
FB: R2.1 R3.2 U1.3 | length 3.3
  Top Layer w0.254: R3.2@18.288,65.786 R2.1@19.304,65.786 19.304,64.77 19.37,64.704 U1.3@19.37,63.5
GND: C1.2 C3.1 C4.1 C5.2 C7.1 C8.1 C9.1 C10.1 C11.1 C12.1 C17.1 C18.1 C52.1 D1.1 J1.1 L2.1 R3.1 R4.2 R17.1 R18.1 R19.1 R23.2 R24.2 R25.2 R26.1 R58.1 R59.1 U1.2 U2.1 U3.2 U5.12 U5.13 U7.0 U7.A1 U7.A12 U7.B1 U7.B12 | length 37.8
  Top Layer w0.508: v1(45.466,64.262) 50.546,64.262 51.181,64.897 R4.2@51.181,66.294 ; v1(57.15,37.973) U5.12@59.637,37.973 ; v1(57.15,39.243) U5.13@59.637,39.243 U5.12@59.637,37.973 ; C17.1@62.611,37.846 61.508,37.846 61.381,37.973 U5.12@59.637,37.973 ; C18.1@63.866,24.028 63.72,23.882 63.72,22.816 63.612,22.708 C52.1@63.612,22.631 v1(65.253,22.631) v1@65.278,22.606 ; v1@90.17,52.07 v1(90.198,52.098) U7.A1@91.592,52.098 ; v1@90.297,58.801 v1(90.298,58.8) U7.A12@91.592,58.798 U7.B1@91.592,58.602
  Bottom Layer w0.254: R19.1@19.304,46.482 19.304,44.323 19.812,43.815 R25.2@21.833,43.815 ; R18.1@26.416,46.482 26.543,46.355 26.543,44.069 26.797,43.815 R24.2@28.945,43.815 ; R17.1@33.909,46.609 33.909,44.069 34.163,43.815 R23.2@36.449,43.815
  other v1: 18.161,2.286 19.558,2.286 15.24,2.413 16.637,2.413 15.24,4.064 16.637,4.064 18.161,4.064 19.558,4.064 15.24,5.588 16.637,5.588 18.161,5.588 19.558,5.588 19.177,6.731 14.986,7.239 14.986,8.763 16.256,10.541 64.433,22.631
  other v2: 12.573,38.1 10.287,38.227 12.573,39.878 10.287,40.005 12.573,41.656 10.287,41.783 12.573,43.434 10.287,43.561 11.303,46.609 13.081,46.609 14.859,46.609 16.637,46.609 30.353,47.371 32.258,48.133 34.163,48.133 36.068,48.133 8.636,48.387 10.414,48.387 12.192,48.387 13.97,48.387 16.002,48.387 17.78,48.387 19.558,48.387 21.336,48.387 23.241,48.387 25.019,48.387 26.797,48.387 28.575,48.387 30.353,49.149 33.909,49.657 35.814,49.657 32.258,49.784 22.352,50.927 24.13,50.927 25.908,50.927 27.686,50.927 30.353,50.927 32.385,51.562 34.036,51.562 35.814,51.562 22.352,52.705 24.13,52.705 25.908,52.705 27.686,52.705 30.353,52.705
  other v3: 39.751,54.864 38.608,55.499 39.751,56.134 15.748,56.515 16.764,56.515 17.907,56.515 18.923,56.515 19.812,56.515 38.608,56.515 38.608,57.404 41.021,61.722 14.732,61.976 15.748,61.976 16.764,61.976 17.653,61.976 41.021,63.119 41.021,64.135 31.242,64.643 40.132,64.77 32.385,64.897 33.655,64.897 35.306,64.897 37.211,64.897
H1: RN3.5 U6.41 | length 32.7
  Top Layer w0.152: RN3.5@63.611,26.382 65.566,26.382 v1(66.294,25.654) ; v1(78.486,30.734) 79.879,32.127 U6.41@79.879,34.786
  Bottom Layer w0.152: v1(66.294,25.654) 66.294,25.273 65.913,24.892 63.119,24.892 62.992,25.019 62.992,27.432 63.246,27.686 68.453,27.686 68.936,27.203 71.272,27.203 71.755,27.686 71.755,30.353 72.136,30.734 v1(78.486,30.734)
H2: RN3.6 U6.42 | length 34.5
  Top Layer w0.152: RN3.6@63.611,26.932 66.667,26.932 67.439,26.16 67.469,26.16 67.595,26.035 v1(67.691,26.035) ; v1(78.867,29.845) 80.379,31.357 U6.42@80.379,34.786
  Bottom Layer w0.152: v1(67.691,26.035) 67.691,25.4 67.564,25.273 67.145,25.273 67.056,25.362 67.056,25.781 66.675,26.162 63.5,26.162 63.373,26.289 63.373,27.051 63.62,27.298 68.446,27.298 68.82,26.924 71.755,26.924 72.39,27.559 72.39,29.464 72.771,29.845 v1(78.867,29.845)
H3: RN3.7 U6.43 | length 24.9
  Top Layer w0.152: RN3.7@63.611,27.432 67.945,27.432 68.834,26.543 v1(68.834,26.467) ; v1(79.121,28.829) 80.879,30.587 U6.43@80.879,34.786
  Bottom Layer w0.152: v1(68.834,26.467) 68.907,26.467 69.212,26.162 72.644,26.162 73.025,26.543 73.025,28.321 73.533,28.829 v1(79.121,28.829)
HO1: R5.1 U5.27 | length 2.3
  Top Layer w0.254: R5.1@47.498,25.273 U5.27@49.837,25.273
HO2: R6.1 U5.23 | length 2.3
  Top Layer w0.254: R6.1@47.498,30.353 U5.23@49.837,30.353
HO3: R7.1 U5.19 | length 2.3
  Top Layer w0.254: R7.1@47.509,35.433 U5.19@49.837,35.433
HT_CS: J7.7 U6.50 | length 49.2
  Top Layer w0.127: J7.7@67.818,6.604 67.945,6.731 67.945,9.271 71.374,12.7 71.374,23.876 72.39,24.892 86.868,24.892 87.63,25.654 87.63,36.576 86.943,37.263 U6.50@85.356,37.263
HT_MISO: J7.5 U6.52 | length 56.8
  Top Layer w0.127: U6.52@85.356,38.263 88.356,38.263 v1(89.027,37.592)
  Bottom Layer w0.127: J7.5@62.738,6.604 62.738,8.763 63.5,9.525 66.675,9.525 69.977,12.827 69.977,22.987 71.882,24.892 87.376,24.892 89.027,26.543 v1(89.027,37.592)
HT_MOSI: J7.6 U6.53 | length 57
  Top Layer w0.127: U6.53@85.356,38.763 89.404,38.763 89.559,38.608 v1(89.662,38.608)
  Bottom Layer w0.127: J7.6@65.278,6.604 65.278,8.509 66.04,9.271 67.183,9.271 70.612,12.7 70.612,23.114 72.009,24.511 88.392,24.511 89.916,26.035 89.916,38.354 v1(89.662,38.608)
HT_SCK: J7.4 U6.51 | length 56.9
  Top Layer w0.127: U6.51@85.356,37.763 87.356,37.763 87.527,37.592 v1(87.63,37.592)
  Bottom Layer w0.127: J7.4@60.198,6.604 60.198,9.017 60.96,9.779 66.167,9.779 69.469,13.081 69.469,23.114 71.501,25.146 86.36,25.146 88.138,26.924 88.138,37.084 v1(87.63,37.592)
IAADC: C27.2 R36.1 U6.22 | length 32.6
  Top Layer w0.178: v1(68.834,54.737) 68.834,47.371 69.977,46.228 73.914,46.228 75.565,44.577 75.565,42.037 75.291,41.763 U6.22@73.902,41.763
  Top Layer w0.254: R36.1@60.082,55.626 60.111,55.655 60.111,56.613 C27.2@60.14,56.642 60.14,57.6 v1(60.169,57.629) v1@60.198,57.658
  Layer 1 w0.254: v1(60.169,57.629) 67.847,57.629 68.834,56.642 v1(68.834,54.737)
IBADC: C32.2 R45.1 U6.23 | length 44.5
  Top Layer w0.178: v1(53.213,59.309) 53.34,59.436 66.675,59.436 67.945,58.166 67.945,42.291 68.973,41.263 U6.23@73.902,41.263
  Top Layer w0.254: R45.1@49.657,55.372 49.657,56.388 50.038,56.769 C32.2@52.694,56.769 52.7,56.775 52.7,57.78 v1(52.705,57.785)
  Bottom Layer w0.178: v1(52.705,57.785) 52.705,58.801 v1(53.213,59.309)
ICADC: C31.2 R44.1 U6.24 | length 34.6
  Top Layer w0.254: v1(47.879,47.117) 49.646,47.117 C31.2@49.657,47.128 R44.1@49.657,48.133 ; v1(66.929,44.45) 66.929,42.545 68.711,40.763 U6.24@73.902,40.763
  Layer 1 w0.254: v1(47.879,47.117) 47.879,44.218 48.028,44.069 57.254,44.069 57.635,44.45 v1(66.929,44.45)